# Altium PCB DCDCv1.1.PcbDoc (part 3 of 5) (continued)
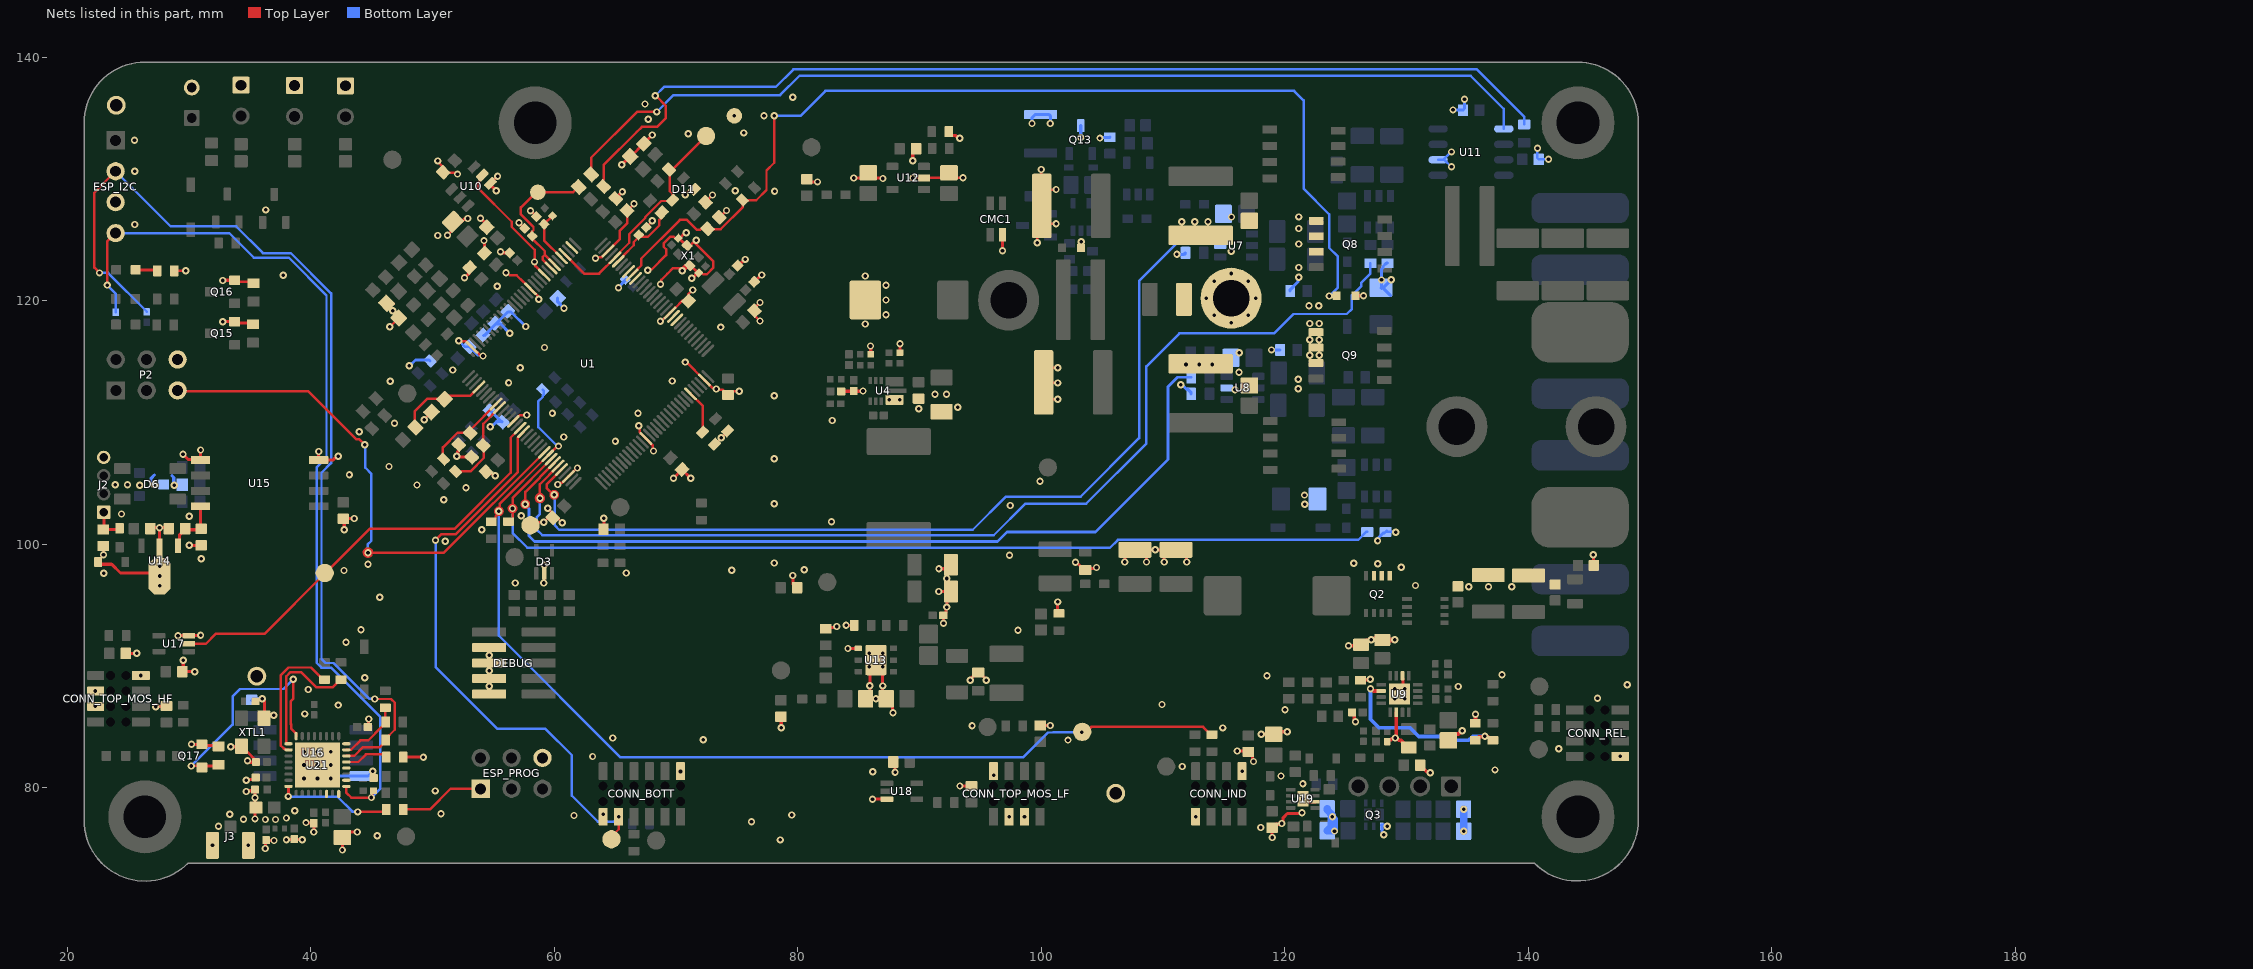
[diagram p5: the nets of this part, all layers, seen from the top]
## Part data (continued)
R88 R105: library part CMP-2002-07472-1, "±1% 1/16W ±100ppm/℃ 1kΩ 0402 Chip Resistor - Surface Mount ROHS", Case Code (Imperial)=0402, Case Code (Metric)=1005, JLCPCB Part #=C11702, Manufacturer="Yageo / Phycomp", Manufacturer Part Number=RC0402FR-071KL, Max Operating Temperature=155°C, Max Power Dissipation=63mW, Min Operating Temperature=-55°C, Power Rating=62.5mW, Resistance=1kR, Resistance Tolerance=1%, Resistor Type="Thick Film", Supplier Part Number 1=311-1.00KLRCT-ND, Temperature coefficient=100ppm/°C, Voltage Rating=50V, Case/Package=0402, Category="Chip SMD Resistors", ComponentLink1Description=https://datasheet.ciiva.com/11819/0900766b80c66297-11819477.pdf?src-supplier=RSComponents, ComponentLink1URL=https://datasheet.ciiva.com/11819/0900766b80c66297-11819477.pdf?src-supplier=RSComponents, ComponentLink2Description=https://datasheet.ciiva.com/12666/pyu-rc0402-51-rohs-l-6-r-12666741.pdf?src-supplier=Mouser, ComponentLink2URL=https://datasheet.ciiva.com/12666/pyu-rc0402-51-rohs-l-6-r-12666741.pdf?src-supplier=Mouser, ComponentLink3Description=https://datasheet.ciiva.com/17063/pyu-rc0402-51-rohs-l-6-r-17063193.pdf?src-supplier=Future+Electronics, ComponentLink3URL=https://datasheet.ciiva.com/17063/pyu-rc0402-51-rohs-l-6-r-17063193.pdf?src-supplier=Future+Electronics, ComponentLink4Description=https://datasheet.ciiva.com/22747/1018594-22747513.pdf?src-supplier=Element14, ComponentLink4URL=https://datasheet.ciiva.com/22747/1018594-22747513.pdf?src-supplier=Element14, ComponentLink5Description=https://datasheet.ciiva.com/7849/1018594-7849869.pdf?src-supplier=Element14, ComponentLink5URL=https://datasheet.ciiva.com/7849/1018594-7849869.pdf?src-supplier=Element14, ComponentLink6Description=https://datasheet.ciiva.com/7983/1018594-7983502.pdf?src-supplier=Element14, ComponentLink6URL=https://datasheet.ciiva.com/7983/1018594-7983502.pdf?src-supplier=Element14, ComponentLink7Description=https://datasheet.ciiva.com/7849/1018594-7849871.pdf?src-supplier=Element14, ComponentLink7URL=https://datasheet.ciiva.com/7849/1018594-7849871.pdf?src-supplier=Element14, Construction=Rectangular, Depth=0.5mm, Features="Moisture Resistant", Height=0.32mm, Lead Free="Lead Free", Length=1mm, Military Standard=Not, Number of Pins=2, Number of Terminations=2, Packaging="Tape and Reel", Part Number=RC0402FR-071KL, Pricing 1="1=0.10000, 10=0.01600, 100=0.00660, 1000=0.00299, 2500=0.00259, 5000=0.00214 (USD)", REACH SVHC=Unknown, RoHS=Yes, RoHS Compliant=Yes, Series=RC, Size Code=0402, Stock 1=21620273, Supplier 1=Digi-Key, Technology="THICK FILM", Termination=SMD/SMT, Tolerance=1%, Voltage Rating (DC)=50V, Width=0.5mm
R93: library part CMP-2002-07498-1, "1/16W ±1% ±100ppm/℃ 220Ω 0402 Chip Resistor - Surface Mount ROHS", Case Code (Imperial)=0402, Case Code (Metric)=1005, JLCPCB Part #=C25091, Manufacturer="Yageo / Phycomp", Manufacturer Part Number=RC0402FR-07200RL, Max Operating Temperature=155°C, Max Power Dissipation=63mW, Min Operating Temperature=-55°C, Package Quantity=1, Resistance=200R, Resistance Tolerance=1%, Resistor Type="Thick Film", Supplier Part Number 1=1987691, Temperature coefficient=100ppm/°C, Voltage Rating=50V, Case/Package=0402, Category="Chip SMD Resistors", ComponentLink1Description=https://datasheet.ciiva.com/2553/pyu-r-int-thick-7-2553232.pdf?src-supplier=Digi-Key, ComponentLink1URL=https://datasheet.ciiva.com/2553/pyu-r-int-thick-7-2553232.pdf?src-supplier=Digi-Key, ComponentLink2Description=https://datasheet.ciiva.com/7983/1018594-7983509.pdf?src-supplier=Element14, ComponentLink2URL=https://datasheet.ciiva.com/7983/1018594-7983509.pdf?src-supplier=Element14, ComponentLink3Description=https://datasheet.ciiva.com/16804/pyu-rc0402-51-rohs-l-6-r-16804406.pdf?src-supplier=Future+Electronics, ComponentLink3URL=https://datasheet.ciiva.com/16804/pyu-rc0402-51-rohs-l-6-r-16804406.pdf?src-supplier=Future+Electronics, ComponentLink4Description=https://datasheet.ciiva.com/15189/getdatasheetpartid-331152-15189383.pdf?src-supplier=Verical, ComponentLink4URL=https://datasheet.ciiva.com/15189/getdatasheetpartid-331152-15189383.pdf?src-supplier=Verical, ComponentLink5Description=https://datasheet.ciiva.com/7849/1018594-7849898.pdf?src-supplier=Element14, ComponentLink5URL=https://datasheet.ciiva.com/7849/1018594-7849898.pdf?src-supplier=Element14, ComponentLink6Description=https://datasheet.ciiva.com/5562/pyu-rc0402-51-rohs-l-6-r-8721-5562539.pdf?src-supplier=Mouser, ComponentLink6URL=https://datasheet.ciiva.com/5562/pyu-rc0402-51-rohs-l-6-r-8721-5562539.pdf?src-supplier=Mouser, ComponentLink7Description=https://datasheet.ciiva.com/7849/1018594-7849899.pdf?src-supplier=Element14, ComponentLink7URL=https://datasheet.ciiva.com/7849/1018594-7849899.pdf?src-supplier=Element14, ComponentLink8Description=https://datasheet.ciiva.com/2553/pyu-r-int-thick-7-2553230.pdf?src-supplier=Digi-Key, ComponentLink8URL=https://datasheet.ciiva.com/2553/pyu-r-int-thick-7-2553230.pdf?src-supplier=Digi-Key, ComponentLink9Description=https://datasheet.ciiva.com/2553/pyu-r-int-thick-7-2553231.pdf?src-supplier=Digi-Key, ComponentLink9URL=https://datasheet.ciiva.com/2553/pyu-r-int-thick-7-2553231.pdf?src-supplier=Digi-Key, Construction=Rectangular, Depth=0.5mm, Features="Moisture Resistant", Height=0.016inch, Lead Free="Lead Free", Length=1mm, Military Standard=Not, Number of Terminations=2, Packaging="Tape and Reel", Part Number=RC0402FR-07200RL, Power Rating=63mW, Pricing 1="10000=0.00300 (GBP)", REACH SVHC="No SVHC", RoHS=Yes, RoHS Compliant=Yes, Series=RC, Size Code=0402, Stock 1=12900, Supplier 1=RSComponents, Termination=SMD/SMT, Tolerance=1%, Voltage Rating (DC)=50V, Width=0.02inch
R94 R106 R110 R111 R112 R114 R125 R153: library part RES-2, "±1% 330Ω ±100ppm/℃ 0.1W 0603 Chip Resistor - Surface Mount ROHS", Capacitance="47 uF", Case Code (Imperial)=2917, Case Code (Metric)=7343, JLCPCB Part #=C23138, Manufacturer=Yageo, Manufacturer Part Number=RC0603FR-07330RL, Max Operating Temperature=125degC, Max Power Dissipation=100mW, Min Operating Temperature=-55degC, Package Quantity=500, Supplier Part Number 1=311-330HRCT-ND, Temperature coefficient=100ppm/°C, Tolerance=10%, Voltage Rating="16 V", Case/Package=2917, Category="Chip SMD Resistors", ComponentLink1Description="Manufacturer URL", ComponentLink1URL=http://www.yageo.com/, ComponentLink2Description=Datasheet, ComponentLink2URL=http://www.yageo.com/documents/recent/PYu-RC_Group_51_RoHS_L_04.pdf, ComponentLink3Description=https://datasheet.ciiva.com/11819/0900766b80f96399-11819327.pdf?src-supplier=RSComponents, ComponentLink3URL=https://datasheet.ciiva.com/11819/0900766b80f96399-11819327.pdf?src-supplier=RSComponents, ComponentLink4Description=https://datasheet.ciiva.com/2454/pyu-r-int-thick-7-2454864.pdf?src-supplier=Digi-Key, ComponentLink4URL=https://datasheet.ciiva.com/2454/pyu-r-int-thick-7-2454864.pdf?src-supplier=Digi-Key, ComponentLink5Description=https://datasheet.ciiva.com/2454/pyu-r-int-thick-7-2454865.pdf?src-supplier=Digi-Key, ComponentLink5URL=https://datasheet.ciiva.com/2454/pyu-r-int-thick-7-2454865.pdf?src-supplier=Digi-Key, ComponentLink6Description=https://datasheet.ciiva.com/2454/pyu-r-int-thick-7-2454866.pdf?src-supplier=Digi-Key, ComponentLink6URL=https://datasheet.ciiva.com/2454/pyu-r-int-thick-7-2454866.pdf?src-supplier=Digi-Key, ComponentLink7Description=https://datasheet.ciiva.com/12555/rc0603-272842-12555334.pdf?src-supplier=Mouser, ComponentLink7URL=https://datasheet.ciiva.com/12555/rc0603-272842-12555334.pdf?src-supplier=Mouser, ComponentLink8Description=https://datasheet.ciiva.com/46440/1868787-46440904.pdf?src-supplier=Element14, ComponentLink8URL=https://datasheet.ciiva.com/46440/1868787-46440904.pdf?src-supplier=Element14, ComponentLink9Description=https://datasheet.ciiva.com/7746/443971-7746329.pdf?src-supplier=Element14, ComponentLink9URL=https://datasheet.ciiva.com/7746/443971-7746329.pdf?src-supplier=Element14, ComponentLink10Description=https://datasheet.ciiva.com/7746/443971-7746330.pdf?src-supplier=Element14, ComponentLink10URL=https://datasheet.ciiva.com/7746/443971-7746330.pdf?src-supplier=Element14, ComponentLink11Description=https://datasheet.ciiva.com/7746/1686128-7746331.pdf?src-supplier=Element14, ComponentLink11URL=https://datasheet.ciiva.com/7746/1686128-7746331.pdf?src-supplier=Element14, Composition="Thick Film", DatasheetVersion="Rev. 4, 02/2016", Depth=0.8mm, ESR="800 mohm", Features="Moisture Resistant", Height="3.1 mm", Lead Free="Lead Free", Length="7.3 mm", Mount="Surface Mount", Number of Pins=2, Number of Terminations=2, PackageDescription="2-Pin Surface Mount Device, Body 1.6 x 0.8 mm", PackageReference=0603, Packaging="Tape and Reel", Pins=2, Power Rating=100mW, Pricing 1="1=0.10000, 10=0.02300, 100=0.00940, 1000=0.00421, 2500=0.00366 (USD)", Radiation Hardening=No, REACH SVHC="No SVHC", Resistance=330R, RoHS=Yes, RoHSCompliant=True, Stock 1=4209654, Supplier 1=Digi-Key, Termination=SMD/SMT, Voltage Rating (DC)="16 V", Width="4.3 mm"
R96: library part CMP-2000-00847-1, "RES SMD 3.3 OHM 1% 1/10W 0603", Case Code (Imperial)=0603, Case Code (Metric)=1608, Manufacturer=Panasonic, Manufacturer Part Number=ERJ-3RQF3R3V, Max Operating Temperature=125°C, Max Power Dissipation=100mW, Min Operating Temperature=-55°C, Package Quantity=5000, Resistance Tolerance=1%, Resistor Type="Thick Film", Supplier Part Number 1=P3.3AJCT-ND, Temperature coefficient=200ppm/°C, Case/Package=0603, Category="Chip SMD Resistors", ComponentLink1Description=https://datasheet.ciiva.com/11818/0900766b80eefa12-11818391.pdf?src-supplier=RSComponents, ComponentLink1URL=https://datasheet.ciiva.com/11818/0900766b80eefa12-11818391.pdf?src-supplier=RSComponents, ComponentLink2Description=https://datasheet.ciiva.com/46447/391509-46447753.pdf?src-supplier=Element14, ComponentLink2URL=https://datasheet.ciiva.com/46447/391509-46447753.pdf?src-supplier=Element14, ComponentLink3Description=https://datasheet.ciiva.com/6137/391509-6137621.pdf?src-supplier=Farnell, ComponentLink3URL=https://datasheet.ciiva.com/6137/391509-6137621.pdf?src-supplier=Farnell, ComponentLink4Description=https://datasheet.ciiva.com/46447/391509-46447752.pdf?src-supplier=Element14, ComponentLink4URL=https://datasheet.ciiva.com/46447/391509-46447752.pdf?src-supplier=Element14, ComponentLink5Description=https://datasheet.ciiva.com/9196/aoa0000ce3-9196469.pdf?src-supplier=Avnet, ComponentLink5URL=https://datasheet.ciiva.com/9196/aoa0000ce3-9196469.pdf?src-supplier=Avnet, ComponentLink6Description=https://datasheet.ciiva.com/30239/6aoa0000ce3-30239769.pdf?src-supplier=Onlinecomponents.com, ComponentLink6URL=https://datasheet.ciiva.com/30239/6aoa0000ce3-30239769.pdf?src-supplier=Onlinecomponents.com, ComponentLink7Description=https://datasheet.ciiva.com/17213/aoa0000ce3-17213654.pdf?src-supplier=Avnet+Europe, ComponentLink7URL=https://datasheet.ciiva.com/17213/aoa0000ce3-17213654.pdf?src-supplier=Avnet+Europe, Construction=Rectangular, Contact Plating=Tin, Depth=0.8mm, Height=0.45mm, Lead Free="Lead Free", Length=1.6mm, Military Standard=Not, Mount="Surface Mount", Number of Pins=2, Number of Terminations=2, Packaging="Tape and Reel", Part Number=ERJ-3RQF3R3V, Power Rating=100mW, Pricing 1="1=0.16000, 10=0.13600, 25=0.09920, 50=0.07200, 100=0.05330, 250=0.04092, 500=0.03224, 1000=0.02232 (USD)", Radiation Hardening=No, REACH SVHC="No SVHC", Resistance=3.3R, RoHS=Yes, RoHS Compliant=Yes, Series=ERJ, Stock 1=14, Supplier 1=Digi-Key, Technology="THICK FILM", Termination=SMD/SMT, Tolerance=1%, Width=0.031inch
R97 R99: library part CMP-2000-00918-1, Case Code (Imperial)=0603, Case Code (Metric)=1608, Manufacturer=Panasonic, Manufacturer Part Number=ERA-3AEB154V, Max Operating Temperature=155°C, Max Power Dissipation=100mW, Min Operating Temperature=-55°C, Package Quantity=1, Part Number=ERA3AEB154V, Resistance=150kR, Supplier Part Number 1=P150KDBCT-ND, Temperature coefficient=25ppm/°C, Tolerance=0.1%, Voltage Rating=75V, Case/Package=0603, ComponentLink1Description=https://datasheet.ciiva.com/11808/0900766b80fe20f7-11808025.pdf?src-supplier=RSComponents, ComponentLink1URL=https://datasheet.ciiva.com/11808/0900766b80fe20f7-11808025.pdf?src-supplier=RSComponents, ComponentLink2Description=https://datasheet.ciiva.com/29183/451718-da-01-en-widerstand-0603-era-29183878.pdf?src-supplier=Conrad, ComponentLink2URL=https://datasheet.ciiva.com/29183/451718-da-01-en-widerstand-0603-era-29183878.pdf?src-supplier=Conrad, ComponentLink3Description=https://datasheet.ciiva.com/24070/aoa0000ce26-197354-24070709.pdf?src-supplier=Mouser, ComponentLink3URL=https://datasheet.ciiva.com/24070/aoa0000ce26-197354-24070709.pdf?src-supplier=Mouser, ComponentLink4Description=https://datasheet.ciiva.com/9117/aoa0000ce26-9117369.pdf?src-supplier=Avnet, ComponentLink4URL=https://datasheet.ciiva.com/9117/aoa0000ce26-9117369.pdf?src-supplier=Avnet, ComponentLink5Description=https://datasheet.ciiva.com/16767/70068849-16767065.pdf?src-supplier=Allied+Electronics, ComponentLink5URL=https://datasheet.ciiva.com/16767/70068849-16767065.pdf?src-supplier=Allied+Electronics, ComponentLink6Description=https://datasheet.ciiva.com/30175/54aoa0000ce26-30175385.pdf?src-supplier=Onlinecomponents.com, ComponentLink6URL=https://datasheet.ciiva.com/30175/54aoa0000ce26-30175385.pdf?src-supplier=Onlinecomponents.com, ComponentLink7Description=https://datasheet.ciiva.com/6001/485442-6001674.pdf?src-supplier=Farnell, ComponentLink7URL=https://datasheet.ciiva.com/6001/485442-6001674.pdf?src-supplier=Farnell, ComponentLink8Description=https://datasheet.ciiva.com/6001/485442-6001675.pdf?src-supplier=Farnell, ComponentLink8URL=https://datasheet.ciiva.com/6001/485442-6001675.pdf?src-supplier=Farnell, ComponentLink9Description=https://datasheet.ciiva.com/17207/aoa0000ce26-17207467.pdf?src-supplier=Avnet+Europe, ComponentLink9URL=https://datasheet.ciiva.com/17207/aoa0000ce26-17207467.pdf?src-supplier=Avnet+Europe, ComponentLink10Description=https://datasheet.ciiva.com/36857/485442-36857163.pdf?src-supplier=Element14, ComponentLink10URL=https://datasheet.ciiva.com/36857/485442-36857163.pdf?src-supplier=Element14, ComponentLink11Description=https://datasheet.ciiva.com/9117/aoa0000ce26-9117373.pdf?src-supplier=Avnet, ComponentLink11URL=https://datasheet.ciiva.com/9117/aoa0000ce26-9117373.pdf?src-supplier=Avnet, ComponentLink12Description=https://datasheet.ciiva.com/43455/485442-43455245.pdf?src-supplier=Farnell, ComponentLink12URL=https://datasheet.ciiva.com/43455/485442-43455245.pdf?src-supplier=Farnell, ComponentLink13Description=https://datasheet.ciiva.com/16212/aoa0000ce26-16212095.pdf?src-supplier=Future+Electronics, ComponentLink13URL=https://datasheet.ciiva.com/16212/aoa0000ce26-16212095.pdf?src-supplier=Future+Electronics, ComponentLink14Description=https://datasheet.ciiva.com/16770/70068849-16770767.pdf?src-supplier=Allied+Electronics, ComponentLink14URL=https://datasheet.ciiva.com/16770/70068849-16770767.pdf?src-supplier=Allied+Electronics, ComponentLink15Description=https://datasheet.ciiva.com/28691/485442-28691903.pdf?src-supplier=Element14, ComponentLink15URL=https://datasheet.ciiva.com/28691/485442-28691903.pdf?src-supplier=Element14, Composition="Metal Film,Thin Film", Contact Plating=Tin, Depth=0.8mm, Features="Automotive AEC-Q200", Height=0.45mm, Lead Free="Lead Free", Length=1.6mm, Military Standard=Not, Mount="Surface Mount", Number of Pins=2, Number of Terminations=2, Packaging="Tape and Reel", Power Rating=100mW, Pricing 1="1=0,35000, 10=0,30000, 100=0,11720, 1000=0,04906, 2500=0,04498 (USD)", Radiation Hardening=No, REACH SVHC="No SVHC", RoHS=Yes, Stock 1=137847, Supplier 1=Digi-Key, Termination=SMD/SMT, Voltage Rating (DC)=75V, Width=0.8mm
R98 R100: library part RES, "Res Thin Film 0603 499 Ohm 0.1% 1/10W ±25ppm/°C Molded SMD SMD Punched Carrier T/R", Case Code (Imperial)=0603, Case Code (Metric)=1608, Manufacturer=Panasonic, Manufacturer Part Number=ERA-3AEB4990V, Max Operating Temperature=155°C, Max Power Dissipation=100mW, Min Operating Temperature=-55°C, Package Quantity=1, Part Number=ERA3AEB4990V, Resistance=499R, Resistance Tolerance=0.1%, Resistor Type="Thin Film,Metal Film", Supplier Part Number 1=P499DBCT-ND, Temperature coefficient=25ppm/°C, Voltage Rating=150V, Voltage Rating (DC)=75V, Case/Package=0603, Category="Chip SMD Resistors", ComponentLink1Description=https://datasheet.ciiva.com/11810/0900766b80eb1d8c-11810911.pdf?src-supplier=RSComponents, ComponentLink1URL=https://datasheet.ciiva.com/11810/0900766b80eb1d8c-11810911.pdf?src-supplier=RSComponents, ComponentLink2Description=https://datasheet.ciiva.com/29183/451973-da-01-en-widerstand-0603-era-29183924.pdf?src-supplier=Conrad, ComponentLink2URL=https://datasheet.ciiva.com/29183/451973-da-01-en-widerstand-0603-era-29183924.pdf?src-supplier=Conrad, ComponentLink3Description=https://datasheet.ciiva.com/9181/aoa0000ce26-9181477.pdf?src-supplier=Avnet, ComponentLink3URL=https://datasheet.ciiva.com/9181/aoa0000ce26-9181477.pdf?src-supplier=Avnet, ComponentLink4Description=https://datasheet.ciiva.com/17205/aoa0000ce26-17205477.pdf?src-supplier=Avnet+Europe, ComponentLink4URL=https://datasheet.ciiva.com/17205/aoa0000ce26-17205477.pdf?src-supplier=Avnet+Europe, ComponentLink5Description=https://datasheet.ciiva.com/30161/54aoa0000ce26-30161593.pdf?src-supplier=Onlinecomponents.com, ComponentLink5URL=https://datasheet.ciiva.com/30161/54aoa0000ce26-30161593.pdf?src-supplier=Onlinecomponents.com, ComponentLink6Description=https://datasheet.ciiva.com/7920/485442-7920378.pdf?src-supplier=Element14, ComponentLink6URL=https://datasheet.ciiva.com/7920/485442-7920378.pdf?src-supplier=Element14, ComponentLink7Description=https://datasheet.ciiva.com/7920/485442-7920379.pdf?src-supplier=Element14, ComponentLink7URL=https://datasheet.ciiva.com/7920/485442-7920379.pdf?src-supplier=Element14, ComponentLink8Description=https://datasheet.ciiva.com/6201/485442-6201036.pdf?src-supplier=Farnell, ComponentLink8URL=https://datasheet.ciiva.com/6201/485442-6201036.pdf?src-supplier=Farnell, Construction=Rectangular, Contact Plating=Tin, Depth=0.8mm, Features="Automotive AEC-Q200", Height=0.45mm, Lead Free="Lead Free", Length=1.6mm, Military Standard=Not, Mount="Surface Mount", Number of Pins=2, Number of Terminations=2, Packaging="Tape and Reel", Power Rating=100mW, Pricing 1="1=0.31000, 10=0.26000, 100=0.10150, 1000=0.04248, 2500=0.03894 (USD)", Radiation Hardening=No, REACH SVHC="No SVHC", RoHS=Yes, RoHS Compliant=Yes, Series=ERA-3A, Stock 1=51561, Supplier 1=Digi-Key, Technology="METAL FILM", Termination=SMD/SMT, Tolerance=0.1%, Width=0.8mm
R103: library part CMP-2002-00646-4, "Chip Resistor, 12 KOhm, +/- 1%, 0.1 W, -55 to 155 degC, 0402 (1005 Metric), RoHS, Tape and Reel", Case Code (Imperial)=0402, Case Code (Metric)=1005, JLCPCB Part #=C25752, Manufacturer=Panasonic, Manufacturer Part Number=ERJ-2RKF1202X, Max Operating Temperature="155 degC", Max Power Dissipation=100mW, Min Operating Temperature="-55 degC", Package Quantity=10000, Power Rating="100 mW", Resistance="12 KOhm", Resistance Tolerance=1%, Resistor Type="Thick Film", Supplier Part Number 1=1755721, Temperature coefficient=100ppm/°C, Voltage Rating="50 V", Voltage Rating (DC)=50V, Case/Package=0402, Case\/Package=0402, Category="Chip SMD Resistors", ComponentLink1Description="Manufacturer URL", ComponentLink1URL=http://www.panasonic.com/, ComponentLink2Description=Datasheet, ComponentLink2URL=http://industrial.panasonic.com/cdbs/www-data/pdf/RDA0000/AOA0000C86.pdf, ComponentLink3Description=https://datasheet.ciiva.com/11821/0900766b80f80784-11821195.pdf?src-supplier=RSComponents, ComponentLink3URL=https://datasheet.ciiva.com/11821/0900766b80f80784-11821195.pdf?src-supplier=RSComponents, ComponentLink4Description=https://datasheet.ciiva.com/7944/aoa0000ce2-7944604.pdf?src-supplier=Element14, ComponentLink4URL=https://datasheet.ciiva.com/7944/aoa0000ce2-7944604.pdf?src-supplier=Element14, ComponentLink5Description=https://datasheet.ciiva.com/7944/426256-7944939.pdf?src-supplier=Element14, ComponentLink5URL=https://datasheet.ciiva.com/7944/426256-7944939.pdf?src-supplier=Element14, ComponentLink6Description=https://datasheet.ciiva.com/46373/1678782-46373164.pdf?src-supplier=Element14, ComponentLink6URL=https://datasheet.ciiva.com/46373/1678782-46373164.pdf?src-supplier=Element14, ComponentLink7Description=https://datasheet.ciiva.com/22673/1678782-22673676.pdf?src-supplier=Element14, ComponentLink7URL=https://datasheet.ciiva.com/22673/1678782-22673676.pdf?src-supplier=Element14, ComponentLink8Description=https://datasheet.ciiva.com/22687/1678782-22687405.pdf?src-supplier=Element14, ComponentLink8URL=https://datasheet.ciiva.com/22687/1678782-22687405.pdf?src-supplier=Element14, ComponentLink9Description=https://datasheet.ciiva.com/46373/1678782-46373165.pdf?src-supplier=Element14, ComponentLink9URL=https://datasheet.ciiva.com/46373/1678782-46373165.pdf?src-supplier=Element14, ComponentLink10Description=https://datasheet.ciiva.com/16397/aoa0000ce2-16397589.pdf?src-supplier=Future+Electronics, ComponentLink10URL=https://datasheet.ciiva.com/16397/aoa0000ce2-16397589.pdf?src-supplier=Future+Electronics, ComponentLink11Description=https://datasheet.ciiva.com/30102/aoa0000ce2-30102936.pdf?src-supplier=Onlinecomponents.com, ComponentLink11URL=https://datasheet.ciiva.com/30102/aoa0000ce2-30102936.pdf?src-supplier=Onlinecomponents.com, Construction=Rectangular, Contact Plating=Tin, DatasheetVersion=04/2015, Depth=0.5mm, Features="Automotive AEC-Q200", Height="0.35 mm", Lead Free="Lead Free", Length="1 mm", Military Standard=Not, Mount="Surface Mount", Mounting Technology="Surface Mount", Number of Pins=2, Number of Terminations=2, PackageDescription="2-Pin Surface Mount Device, Body 1 x 0.5 mm", PackageReference=0402, Packaging="Tape and Reel", PartNumber=ERJ-2RKF1202X, Pins=2, Pricing 1="10000=0.00400, 10000=0.00300 (USD)", REACH SVHC=Yes, RoHS=Yes, RoHS Compliant=Yes, RoHSCompliant=true, Series=ERJ, Size Code=0402, Stock 1=415800, Supplier 1=RSComponents, Technology="THICK FILM", Termination=SMD/SMT, Tolerance=1%, Width="0.5 mm"
R107 R108: library part CMP-1659-00020-2, "±1% 330Ω ±100ppm/℃ 0.1W 0603 Chip Resistor - Surface Mount ROHS", Capacitance="47 uF", Case Code (Imperial)=2917, Case Code (Metric)=7343, JLCPCB Part #=C23138, Max Operating Temperature=125degC, Min Operating Temperature=-55degC, Package Quantity=500, Tolerance=10%, Voltage Rating="16 V", Case/Package=2917, ComponentLink1Description="Manufacturer URL", ComponentLink1URL=http://www.yageo.com/, ComponentLink2Description=Datasheet, ComponentLink2URL=http://www.yageo.com/documents/recent/PYu-RC_Group_51_RoHS_L_04.pdf, DatasheetVersion="Rev. 4, 02/2016", ESR="800 mohm", Height="3.1 mm", Length="7.3 mm", Mount="Surface Mount", PackageDescription="2-Pin Surface Mount Device, Body 1.6 x 0.8 mm", PackageReference=0603, Packaging="Tape and Reel", Pins=2, Radiation Hardening=No, REACH SVHC="No SVHC", RoHSCompliant=True, Voltage Rating (DC)="16 V", Width="4.3 mm"
R124: library part CMP-2100-03662-1, "±1% ±100ppm/℃ 10kΩ 0.1W 0603 Chip Resistor - Surface Mount ROHS", Case Code (Imperial)=0603, Case Code (Metric)=1608, JLCPCB Part #=C25804, Manufacturer=Yageo, Manufacturer Part Number=RC0603FR-07100KL, Max Operating Temperature=155degC, Max Power Dissipation=100mW, Min Operating Temperature=-55degC, Package Description="2-Pin Surface Mount Device, Body 1.6 x 0.8 mm", Resistance=100KOhm, Resistance Tolerance=1%, Resistor Type="Thick Film", Supplier Part Number 1=311-100KHRCT-ND, Temperature coefficient=100ppm/degreesC, Voltage Rating=50V, Working Voltage=75V, Case/Package=0603, Category="Chip SMD Resistors", ComponentLink1Description=https://datasheet.ciiva.com/11808/0900766b80f96399-11808107.pdf?src-supplier=RSComponents, ComponentLink1URL=https://datasheet.ciiva.com/11808/0900766b80f96399-11808107.pdf?src-supplier=RSComponents, ComponentLink2Description=https://datasheet.ciiva.com/7983/443971-7983593.pdf?src-supplier=Element14, ComponentLink2URL=https://datasheet.ciiva.com/7983/443971-7983593.pdf?src-supplier=Element14, ComponentLink3Description=https://datasheet.ciiva.com/46440/1868787-46440889.pdf?src-supplier=Element14, ComponentLink3URL=https://datasheet.ciiva.com/46440/1868787-46440889.pdf?src-supplier=Element14, ComponentLink4Description=https://datasheet.ciiva.com/7746/1738695-7746234.pdf?src-supplier=Element14, ComponentLink4URL=https://datasheet.ciiva.com/7746/1738695-7746234.pdf?src-supplier=Element14, ComponentLink5Description=https://datasheet.ciiva.com/7746/1738695-7746235.pdf?src-supplier=Element14, ComponentLink5URL=https://datasheet.ciiva.com/7746/1738695-7746235.pdf?src-supplier=Element14, ComponentLink6Description=https://datasheet.ciiva.com/22747/443971-22747516.pdf?src-supplier=Element14, ComponentLink6URL=https://datasheet.ciiva.com/22747/443971-22747516.pdf?src-supplier=Element14, Composition=ThickFilm, Construction=Rectangular, Datasheet URL=http://www.yageo.com/NewPortal/yageodocoutput?fileName=/pdf/R-Chip/PYu-RC_Group_51_RoHS_L_5.pdf, Datasheet Version="Rev. 5, 10/2016", Depth=0.8mm, Features="Moisture Resistant", Height=0.45mm, Lead Free=LeadFree, Length=1.6mm, Manufacturer URL=http://www.yageo.com/, Military Standard=Not, Number of Pins=2, Number of Terminations=2, Package Reference=0603, Packaging=TapeandReel, Power Rating=100mW, Pricing 1="1=0.10000, 10=0.02400, 100=0.00970, 1000=0.00436, 2500=0.00378 (USD)", REACH SVHC=NoSVHC, RoHS=Yes, RoHS Compliant=Yes, RoHSCompliant=true, Series=RC, Stock 1=19283456, Supplier 1=Digi-Key, Technology="THICK FILM", Termination=SMD/SMT, Tolerance=1%, Voltage Rating (DC)=50V, Width=0.8mm
R144 R145: library part RES-2, "±1% 100kΩ ±100ppm/℃ 0.1W 0603 Chip Resistor - Surface Mount ROHS", Case Code (Imperial)=0603, Case Code (Metric)=1608, JLCPCB Part #=C25803, Manufacturer=Yageo, Manufacturer Part Number=RC0603JR-071ML, Max Operating Temperature=155°C, Min Operating Temperature=-55°C, Package Description="2-Pin Surface Mount Device, Body 1.6 x 0.8 mm", Package Quantity=5000, Power Rating=100mW, Resistance=1Mohm, Resistance Tolerance=±5%, Resistor Case Style=0603[1608Metric], Resistor Element Type=ThickFilm, Supplier Part Number 1=311-1.0MGRCT-ND, Temperature coefficient=±100ppm/°C, Tolerance=5%, Voltage Rating=50V, Automotive Qualification Standard=-, Case/Package=0603, ComponentLink1Description=https://datasheet.ciiva.com/46395/443971-46395067.pdf?src-supplier=Element14, ComponentLink1URL=https://datasheet.ciiva.com/46395/443971-46395067.pdf?src-supplier=Element14, ComponentLink2Description=https://datasheet.ciiva.com/8883/pyu-rc0603-51-rohs-l-4-8883053.pdf?src-supplier=Avnet, ComponentLink2URL=https://datasheet.ciiva.com/8883/pyu-rc0603-51-rohs-l-4-8883053.pdf?src-supplier=Avnet, ComponentLink3Description=https://datasheet.ciiva.com/12555/rc0603-272842-12555342.pdf?src-supplier=Mouser, ComponentLink3URL=https://datasheet.ciiva.com/12555/rc0603-272842-12555342.pdf?src-supplier=Mouser, ComponentLink4Description=https://datasheet.ciiva.com/7746/443971-7746463.pdf?src-supplier=Element14, ComponentLink4URL=https://datasheet.ciiva.com/7746/443971-7746463.pdf?src-supplier=Element14, Composition="Thick Film", Contact Plating=Tin,Matte, Datasheet URL=http://www.yageo.com/documents/recent/PYu-RC_Group_51_RoHS_L_7.pdf, Datasheet Version="Rev. 7, 05/2017", Depth=0.8mm, Height=0.45mm, Lead Free="Lead Free", Length=1.6mm, Manufacturer URL=http://www.yageo.com/, Military Standard=Not, Mounting Technology=SurfaceMount, MSL=MSL1-Unlimited, Number of Pins=2, Package Reference=0603, Packaging=CutTape, Pricing 1="1=0,10000, 10=0,01900, 100=0,00770, 1000=0,00347, 2500=0,00301 (USD)", Product Range=RCSeries, Radiation Hardening=No, REACH SVHC="No SVHC", RoHS=Yes, Stock 1=3949362, Supplier 1=Digi-Key, SVHC=ToBeAdvised, Termination=SMD/SMT, Voltage Rating (DC)=50V, Width=0.8mm
T2: library part TI-ETD39-200V-2A-LLC, "Lr=1.9uH / Lm=10.2uH / n=5.7 / Vin=30-40V / Vout=200V"
TP1 TP2 TP3 TP4 TP5 TP6 TP7 TP8 TP9 TP10 TP11 TP17 TP18 TP21 TP22 TP27 TP28 TP29 TP31: library part "Test_Point 1.5mm round", "Round Test Point", LatestRevisionDate=17-Jul-2002, LatestRevisionNote="Re-released for DXP Platform.", Publisher="Altium Limited"
TP12 TP13: "SMD test pin"
TP24 TP25 TP26: library part CMP-2000-05181-1, "Test Point, Black, 1-Pin THD, RoHS, Bulk", Alternate Color="5004K-ND / -TESTPOINTPCMINI.040\"DYELLOW / 5003K-ND / -TESTPOINTPCMINI.040\"DORANGE / 5002K-ND / -TESTPOINTPCMINI.040\"DWHITE / 5000K-ND / -TESTPOINTPCMINI.040\"DRED", Color=Black, Manufacturer=Keystone, Standard Package=100, Catalog Drawings=5000Series, Category=TestandMeasurement, Datasheet URL=https://ciiva.com/datasheet-click-2917627?src=ciiva&sig=bd195616, Datasheet Version="Rev. G, 12/2008", Family=TestPoints, Kits="DKTGRS232C-KIT-ND / -TTLCONVERTER", Manufacturer URL=http://www.keyelco.com/, Material=Base,Nylon46,UL94V-0, Mounting Type="0.040\"(1.02mm)HoleDiameter", Online Catalog=ColorCodedTestPoints, Other Names=5001K, Packaging=Bulk, RoHS Information=RoHSComplianceStatement, Series=THM, Terminal="0.010\"x0.020\"(0.25mmx0.51mm)PhosphorBronzeWire,SilverPlated", Type=PCTestPoint,Miniature
U1: library part STM32G4_LPQFP128, "No Description Available", Manufacturer_Part_Number=stm32g4_lpqfp128_t1, Built_By=EMA_Jessica, Copyright="Copyright (C) 2016 Accelerated Designs. All rights reserved", RefDes=RefDes, Type=DEV, Vendor=STMicroelectronics
U2 U3 U7 U8: "Single-channel EiceDRIVER™ with true  differential inputs"
U4: "Integrated Circuit", Manufacturer_Name="Diodes Inc.", Mouser Part Number=621-AP63357QZV-7, Datasheet Link=https://www.diodes.com/assets/Datasheets/AP63356Q_AP63357Q.pdf, Height=0.85mm, Manufacturer_Part_Number=AP63357QZV-7, Mouser Price/Stock=https://www.mouser.co.uk/ProductDetail/Diodes-Incorporated/AP63357QZV-7?qs=DPoM0jnrROUeS%2FU8ZrDy%2FA%3D%3D
U5: library part CMP-0272-01094-3, "35 uA, MicroPower, Precision, Zero Drift CMOS Operational Amplifier, 1.8 to 5.5 V, -40 to 125 degC, 5-pin SOT23 (DCK5), Green (RoHS & no Sb/Br)", Case/Package=SC, Input Bias Current=70pA, Input Offset Voltage (Vos)=1uV, Manufacturer=STMicroelectronics, Max Operating Temperature=125°C, Max Supply Voltage=5.5V, Min Operating Temperature=-40°C, Min Supply Voltage=1.8V, Nominal Supply Current=31uA, Output Current=18mA, Package Quantity=3000, Supplier Part Number 1=497-13509-1-ND, Voltage Gain=135dB, Common Mode Rejection Ratio=112dB, ComponentLink1Description="Manufacturer URL", ComponentLink1URL=http://www.ti.com/, ComponentLink2Description=Datasheet, ComponentLink2URL=http://www.ti.com/general/docs/lit/getliterature.tsp?genericPartNumber=OPA330&fileType=pdf, ComponentLink3Description="Package Specification", ComponentLink3URL=http://www.ti.com/litv/pdf/mpds025f, ComponentLink4Description=https://datasheet.ciiva.com/41459/001184890-da-01-en-ic-op-amp-zero-dri-tsz121ict-sc-70-5-stm-41459615.pdf?src-supplier=Conrad, ComponentLink4URL=https://datasheet.ciiva.com/41459/001184890-da-01-en-ic-op-amp-zero-dri-tsz121ict-sc-70-5-stm-41459615.pdf?src-supplier=Conrad, ComponentLink5Description=https://datasheet.ciiva.com/6627/dm00062815-6627307.pdf?src-supplier=Digi-Key, ComponentLink5URL=https://datasheet.ciiva.com/6627/dm00062815-6627307.pdf?src-supplier=Digi-Key, ComponentLink6Description=https://datasheet.ciiva.com/6627/dm00062815-6627308.pdf?src-supplier=Digi-Key, ComponentLink6URL=https://datasheet.ciiva.com/6627/dm00062815-6627308.pdf?src-supplier=Digi-Key, ComponentLink7Description=https://datasheet.ciiva.com/6627/dm00062815-6627311.pdf?src-supplier=Digi-Key, ComponentLink7URL=https://datasheet.ciiva.com/6627/dm00062815-6627311.pdf?src-supplier=Digi-Key, Gain Bandwidth Product=400kHz, Lead Free="Lead Free", Manufacturer Part Number=TSZ121ICT, Mount="Surface Mount", Number of Channels=1, Number Of Circuits=1, Number of Elements=1, Number of Pins=5, Operating Supply Current=31uA, Output Current per Channel=18mA, Packaging="Tape and Reel", Pricing 1="1=1,12000, 10=1,00500, 100=0,78370, 500=0,64736, 1000=0,51108 (USD)", RoHS=Yes, Slew Rate=0.19V/µs, Stock 1=2840, Supplier 1=Digi-Key, Unity Gain Bandwidth Product=400kHz
U6: library part PM-REF-431-IL5, "30mA, Low voltage adjustable shunt reference, 1.24 to 6V, 5-Pin SOT23-5, Tape and Reel", ComponentLink1Description="Manufacturer URL", ComponentLink1URL=http://www.st.com, ComponentLink2Description=Datasheet, ComponentLink2URL=http://www.st.com/internet/com/TECHNICAL_RESOURCES/TECHNICAL_LITERATURE/DATASHEET/CD00001336.pdf, DatasheetVersion=Aug-2010, PackageDescription="5-Pin SOT-23 Package, 2.9 x 1.6 mm Body, 0.95 mm Pitch, 2.8 mm Lead Span", PackageReference=SOT23-5, PackageVersion=2010
U9: "Integrated Circuit", Manufacturer_Name=Microchip, Mouser Part Number=579-MIC2128YML-TR, Arrow Part Number=MIC2128YML-TR, Arrow Price/Stock=https://www.arrow.com/en/products/mic2128yml-tr/microchip-technology, Datasheet Link=https://componentsearchengine.com/Datasheets/1/MIC2128YML-TR.pdf, Height=0.9mm, Manufacturer_Part_Number=MIC2128YML-TR, Mouser Price/Stock=https://www.mouser.co.uk/ProductDetail/Microchip-Technology/MIC2128YML-TR?qs=NoqMqJKvPFLnUo4QxJcPkw%3D%3D
U10: library part ADI-ADR34xx-RJ-6, "Micropower, High Accuracy Voltage Reference, 3.3 V Output, 3.5 to 5.5 V Supply, Industrial, 6-pin SOT23 (RJ-6), Reel", Manufacturer="Analog Devices", Operating Temp Range="-40 to 125 degC", PartNumber=ADR3433ARJZ-R2, Code_JEDEC=MO-178-AB, ComponentLink1Description="Manufacturer URL", ComponentLink1URL=http://www.analog.com/en/index.html, ComponentLink2Description=Datasheet, ComponentLink2URL=http://www.analog.com/static/imported-files/data_sheets/ADR3412_ADR3420_ADR3425_ADR3430_ADR3433_ADR3440_ADR3450.pdf, ComponentLink3Description="Package Specification", ComponentLink3URL=http://www.analog.com/static/imported-files/packages/PKG_PDF/SOT-23(RJ)/RJ_6.pdf, ComponentLink4Description="URL Link1", ComponentLink4URL="Product URL:http://www.analog.com/en/special-linear-functions/voltage-references/adr3433/products/product.html", DatasheetVersion="Rev. B", Max V Supply (V)=5.5, Min V Supply (V)=3.5, Mounting Technology="Surface Mount", PackageDescription="6-Pin Small Outline Transistor Package, Body 2.9 x 1.6 mm, Pitch 0.95 mm", PackageReference=RJ-6, PackageVersion="121608-A, 12/2008", Packing=Reel, Ref Out TC (ppm/C)=8, Vout=3.3V
U11: library part a9db4a8a3d73c22b64f8e8a0c239388, "IC CURR SENSE 1 CIRCUIT 8SOIC", Case/Package=SOIC, Input Bias Current=90uA, Input Offset Voltage (Vos)=5uV, Max Operating Temperature=125°C, Min Operating Temperature=-40°C, Operating Supply Current=1.8mA, -3db Bandwidth=400kHz, Mount="Surface Mount", Number Of Circuits=1, Number of Pins=8, Packaging="Cut Tape", RoHS Compliant=Yes, Slew Rate=2V/µs
U12: library part PM-LINEREG-TC1014-IL5, "50 mA, 100 mA and 150 mA CMOS LDOs with Active-Low Shutdown and Reference Bypass, 5-Pin SOT-23, Extended Temperature, Tape and Reel", Code_IPC=SOT23-5, DatasheetVersion="revE, Feb-2007", PackageDescription="5-Lead Plastic Small Outline Transistor (CT) [SOT-23]", PackageReference=SOT-23-CT5, PackageVersion="revBB, Aug-2009"
U14: library part CMP-0244-00401-1, "Ultra Low Drop Voltage Regulators with Inhibit, Low ESR Output Capacitors Compatible, 3.3V, 3-Pin SOT-89, Tape and Reel", ComponentLink1Description="Manufacturer URL", ComponentLink1URL=http://www.st.com, ComponentLink2Description=Datasheet, ComponentLink2URL=http://www.st.com/internet/com/TECHNICAL_RESOURCES/TECHNICAL_LITERATURE/DATASHEET/CD00001635.pdf, DatasheetVersion=14/07/2008, PackageDescription="3-Pin SOT-89 Package 1.5 mm Pitch, 4.1 mm Lead Span", PackageReference=SOT-89, PackageVersion=2011
U15: "Integrated Circuit", Manufacturer_Name="Analog Devices", Mouser Part Number=584-ADM3050EBRIZ, Arrow Part Number=ADM3050EBRIZ, Arrow Price/Stock=https://www.arrow.com/en/products/adm3050ebriz/analog-devices?region=nac, Datasheet Link=https://www.mouser.com/datasheet/2/609/ADM3050E-EP-1542022.pdf, Height=2.65mm, Manufacturer_Part_Number=ADM3050EBRIZ, Mouser Price/Stock=https://www.mouser.co.uk/ProductDetail/Analog-Devices/ADM3050EBRIZ?qs=P1JMDcb91o7QWLbXtXYo%2Fw%3D%3D
U16: library part CMP-2000-05006-2, "IC FLASH 32M SPI 104MHZ 8SOIC", Ambient Temperature Range High=+85°C, Ambient Temperature Range Low=-40°C, Frequency=104MHz, Manufacturer=Winbond, Max Supply Voltage=3.6V, Min Supply Voltage=2.7V, Nominal Supply Current=8-20mA, Package=SS, Temperature="-40°C to +85°C", Access Time=7ns, Automotive=No, Category=IC, ComponentLink2Description=Datasheet, ComponentLink2URL=https://www.winbond.com/resource-files/w25q32fv%20revj%2006032016.pdf, Device Class L1="Integrated Circuits (ICs)", Device Class L2=Memory, Device Class L3=Flash, Digikey Description="IC FLASH 32M SPI 104MHZ 8SOIC", Footprint Url=http://www.winbond.com/resource-files/an0000009%20spiflash%20pcb%20layout%20guideline%20v2.0%2009252017.pdf?__locale=en, Height=2.16mm, Interface=SPI,Other, Ipc Land Pattern Name=SOIC127P790X195-8, Lead Free=Yes, Manufacturer Part Number=W25Q32FVSSIG, Memory Size=32Mbits, Memory Type=FLASH, Obsolete Part=true, Octopart=https://octopart.com/w25q32fvssig-winbond-23896462, RoHS=TRUE, Standoff Height=0.05mm, Temperature Range High=+85°C, Temperature Range Low=-40°C